# Altium PCB ControllerPCB.PcbDoc (part 2 of 2)
Units mm, origin at the board's own origin, x right, y up, seen from the top; angles counter-clockwise.
Board outline 79.22 x 88.77 mm, 2 copper layers (Top Layer, Bottom Layer); 122 components, 63 nets, 353 pads, 109 vias.
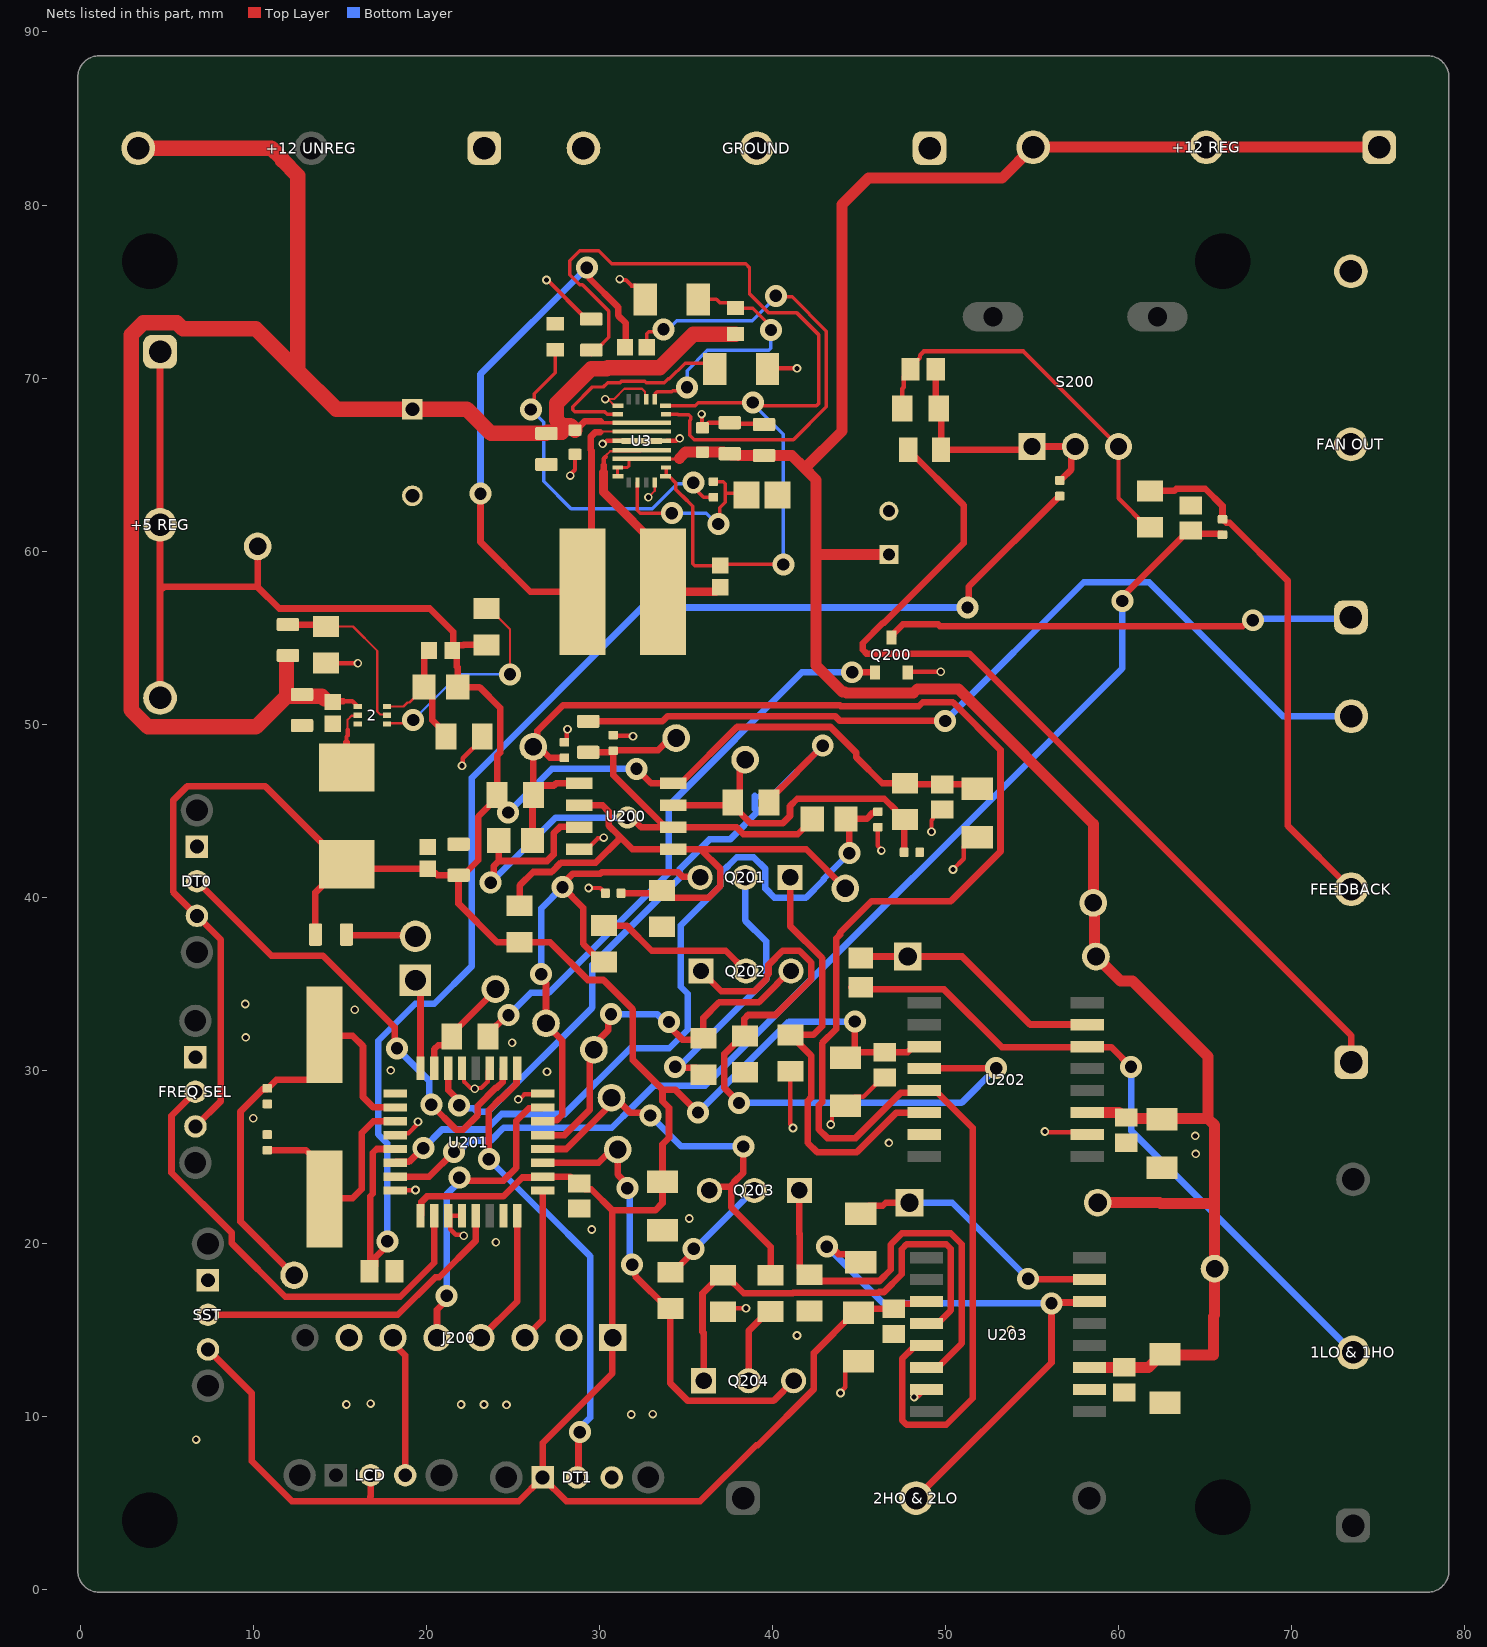
[diagram p2: the nets of this part, all layers, seen from the top]

## Via types
v1: diameter 1.27, hole 0.711, Top Layer to Bottom Layer, 56 vias
v2: diameter 0.5, hole 0.3, Top Layer to Bottom Layer, 53 vias

## Nets (pads, with @x,y where several pads share a name; then routed paths per layer and width w, separated by ;. In a path a pad name is that pad's centre, name@x,y a point inside that pad or via, vN(x,y) a via of type N, cw(c..) or ccw(c..) an arc to the next point about the centre after c; other vN are vias at no path point) (continued)
+5: "+5 REG.1" "+5 REG.2" "+5 REG.3" "FREQ SEL.3" C23.2 C24.2 C25.2 C207.2 C208.2 C209.2 C210.2 C216.2 C217.2 C221.2 C222.2 DT0.3 DT1.1 J200.1 J201.1 L3.1 LCD.2 R12.1 R13.2 R202.2 R204.2 R206.2 R218.2 SST.3 U200.8 U201.17 U201.26 U202.11 U203.11 | length 273.3
  Top Layer w0.381: 4.597,51.519 4.597,57.714 ; 4.597,71.519 4.597,57.714 ; 6.68,26.797 8.113,28.23 8.113,37.544 5.349,40.308 5.349,45.598 6.159,46.408 10.682,46.408 L3.1@15.192,41.898 ; SST.3@7.366,13.875 9.906,11.335 9.906,7.408 12.219,5.095 16.739,5.095 ; J201.1@10.236,60.274 10.236,57.937 ; R218.2@13.577,37.846 13.577,40.283 L3.1@15.192,41.898 ; LCD.2@16.764,6.604 16.764,5.382 16.739,5.357 16.739,5.095 ; U201.17@19.647,21.59 19.697,21.64 19.697,22.39 20.022,22.715 24.434,22.715 25.526,23.807 26.664,23.807 U201.26@26.714,23.857 28.305,23.857 28.704,23.458 C222.2@28.829,23.458 29.164,23.123 29.517,23.123 30.734,21.907 ; C25.2@21.539,54.305 21.748,54.096 21.748,53.33 21.803,53.275 R13.2@21.803,52.146 23.05,52.146 24.26,50.936 24.26,48.367 24.071,48.178 R204.2@24.071,45.748 ; R12.1@23.47,54.585 22.148,54.585 22.127,54.564 21.748,54.564 21.539,54.355 21.539,55.326 20.177,56.688 11.486,56.688 10.236,57.937 ; v1(24.714,44.896) 24.714,45.104 R204.2@24.071,45.748 ; v1(32.131,47.422) 32.969,46.584 34.69,46.584 37.943,49.837 43.337,49.837 44.833,48.341 44.833,48.079 46.329,46.584 47.642,46.584 R202.2@47.65,46.592 ; v1(35.687,27.559) 34.361,28.885 33.63,28.885 ; C208.2@44.196,30.74 C208.2@44.497,31.041 ; C210.2@44.49,16.219 46.953,16.219 47.236,16.502 48.747,16.502 U203.11@48.882,16.637 ; v1(44.748,32.817) 44.748,31.2 44.589,31.041 C208.2@44.497,31.041 ; C210.2@44.958,16.002 44.708,16.002 42.377,13.671 42.377,11.582 39.134,8.338 39.047,8.338 35.804,5.095 28.084,5.095 DT1.1@26.702,6.477 ; R202.2@47.659,46.584 47.721,46.521 51.574,46.521 C216.2@51.816,46.279 ; U202.11@48.755,31.369 48.118,31.369 47.79,31.041 C208.2@44.497,31.041 ; 4.597,57.714 4.821,57.937 10.236,57.937 ; L3.1@15.192,41.898 L3.1@15.392,41.898 15.634,41.656 C24.2@20.066,41.656 20.351,41.371 20.526,41.371 20.622,41.275 C23.2@21.844,41.275 ; 16.739,5.095 25.32,5.095 DT1.1@26.702,6.477 ; C23.2@21.844,41.275 21.844,39.635 24.074,37.406 27.13,37.406 29.317,35.218 30.215,35.218 31.922,33.511 31.922,30.593 33.63,28.885 ; C23.2@21.844,41.275 22.114,41.275 22.982,42.143 22.982,44.66 R204.2@24.071,45.748 ; DT1.1@26.702,6.477 26.721,6.496 26.721,8.486 30.734,12.499 30.734,21.907 ; 30.734,21.907 33.209,21.907 33.63,22.327 33.63,25.734 34.005,26.109 34.005,27.834 33.63,28.209 33.63,28.885
  Bottom Layer w0.381: v1(24.714,44.896) 27.24,47.422 v1(32.131,47.422) ; v1(35.687,27.559) 40.945,32.817 v1(44.748,32.817)
+12: "+12 REG.1" "+12 REG.2" "+12 REG.3" C17.1 C18.2 C19.2 C20.2 C211.2 C212.2 C213.2 C214.2 D201.2 D202.2 J212.1 J213.1 U3.11 U3.12 U3.13 U202.3 U203.3 | length 152.1
  Top Layer w0.178: U3.13@31.061,64.33 31.036,64.355 U3.12@31.036,64.83 31.602,64.83 31.707,64.934 31.707,65.294 31.743,65.33 U3.11@32.436,65.33 34.569,65.33 34.607,65.368
  Top Layer w0.635: 34.607,65.368 34.96,65.721 C20.2@35.941,65.721 37.157,65.721 37.183,65.695 37.467,65.695 37.592,65.57 37.973,65.57 38.012,65.531 C18.2@39.497,65.531 41.1,65.531 41.803,64.827 ; C17.1@46.711,59.817 42.558,59.817 42.507,59.868 ; U202.3@58.179,27.559 60.011,27.559 60.302,27.268 C211.2@60.427,27.268 ; U203.3@58.306,12.827 58.314,12.835 58.966,12.835 58.972,12.841 C213.2@60.325,12.841 61.707,12.841 62.079,13.213 62.079,13.259 62.412,13.592 C214.2@62.662,13.592 62.716,13.538 65.456,13.538 65.456,15.779 65.532,15.855 J213.1@65.532,18.542 65.532,22.301 ; D202.2@58.778,22.352 62.352,22.352 62.403,22.301 65.532,22.301 ; C211.2@60.542,27.268 60.587,27.223 62.439,27.223 C212.2@62.484,27.178 62.509,27.203 65.16,27.203 ; 75.049,83.341 65.049,83.341 55.049,83.341 53.262,81.554 45.528,81.554 43.993,80.019 43.993,66.929 41.891,64.827 41.803,64.827 ; 41.803,64.827 42.507,64.124 42.507,59.868 ; 42.507,59.868 42.507,53.382 44.02,51.869 44.179,51.869 44.252,51.796 48.121,51.796 48.357,52.032 50.725,52.032 58.522,44.235 J212.1@58.522,39.675 58.599,39.597 58.599,36.653 60.086,35.166 60.799,35.166 65.16,30.806 65.16,27.203 ; 65.16,27.203 65.532,26.831 65.532,22.301
+12V_in: 2.1 "+12 UNREG.3" C14.1 C15.2 C16.2 C21.2 C22.2 R8.1 R11.1 U3.7 | length 105.4
  Top Layer w0.127: 2.1@15.943,51.105 2.1@16.028,51.021
  Top Layer w0.2: 30.056,67.513 30.159,67.41 U3.7@32.436,67.41
  Top Layer w0.257: 15.189,51.333 15.715,51.333 2.1@15.943,51.105
  Top Layer w0.381: C22.2@14.58,51.283 14.63,51.333 15.189,51.333 ; C16.2@28.575,66.994 28.625,66.994 29.144,67.513 30.056,67.513
  Top Layer w0.889: 3.335,83.287 11.024,83.287 11.661,82.649 11.661,82.593 12.548,81.707 12.548,70.434 ; R11.1@11.904,53.9 11.904,51.613 ; 14.097,51.46 13.945,51.613 11.904,51.613 ; 27.824,66.867 26.988,66.867 C15.2@26.924,66.803 23.724,66.803 22.328,68.199 C14.1@19.177,68.199 14.783,68.199 12.548,70.434 ; C16.2@28.575,66.994 28.31,67.259 27.824,67.259 27.507,67.576 27.507,68.54 29.505,70.537 30.398,70.537 30.465,70.604 33.476,70.604 35.414,72.541 R8.1@37.846,72.541 ; 11.904,51.613 10.136,49.845 3.904,49.845 2.924,50.826 2.924,72.498 3.619,73.192 5.576,73.192 5.921,72.847 10.135,72.847 12.548,70.434
FANCTR: J205.1 R207.2 U201.7 | length 6.3
  Top Layer w0.381: U201.7@20.447,30.124 20.447,31.23 20.67,31.453 21.045,31.453 21.454,31.862 21.454,32.103 23.978,34.626 J205.1@23.978,34.696
GND: 2.3 "+12 UNREG.1" "FAN OUT.2" "FAN OUT.3" "FREQ SEL.1" C11.1 C13.1 C14.2 C15.1 C16.1 C17.2 C18.1 C19.1 C20.1 C21.1 C22.1 C23.1 C24.1 C200.1 C201.2 C202.1 C203.1 C204.1 C207.1 C208.1 C209.1 C210.1 C211.1 C212.1 C213.1 C214.1 C215.1 C216.1 C217.1 C218.1 C219.1 C220.2 C221.1 C222.1 C223.2 DT0.1 DT1.3 GROUND.1 GROUND.2 GROUND.3 J200.2 J200.7 Q200.2 R7.2 R9.1 R10.1 R14.1 R15.1 R209.1 R211.1 R213.1 R214.1 R216.1 R219.1 R221.1 S200.3 SST.1 U3.2 U3.5 U3.9 U3.17 U3.22 U3.23 U200.4 U201.3 U201.5 U201.9 U201.12 U201.16 U201.19 U201.20 U201.23 U201.32 U202.2 U202.15 U203.2 U203.15 | length 85.8
  Top Layer w0.127: U3.5@31.061,68.41 30.861,68.41 30.559,68.712 30.399,68.712 v2(30.328,68.783) 30.825,68.783 31.429,69.388 32.442,69.388 32.628,69.202 32.628,68.828 U3.2@32.686,68.77 ; v2(32.817,63.119) 33.186,63.488 U3.17@33.186,63.97
  Top Layer w0.254: R14.1@14.199,53.543 14.224,53.518 v2(16.027,53.518) ; U201.16@18.18,23.057 18.196,23.073 19.339,23.073 v2(19.355,23.089) ; U201.12@18.18,26.257 18.294,26.371 18.954,26.371 19.46,26.878 19.46,26.979 v2(19.507,27.026) ; U201.20@22.047,21.59 U201.19@21.247,21.59 21.361,21.476 21.361,20.816 21.683,20.494 22.102,20.494 v2(22.149,20.447) ; U201.5@22.047,30.124 22.161,30.01 22.161,29.351 22.534,28.978 22.737,28.978 v2(22.784,28.931) 22.831,28.978 23.16,28.978 23.533,29.351 23.533,30.01 U201.3@23.647,30.124 ; v2(22.047,47.6) 22.094,47.647 22.094,48.03 23.216,49.151 R15.1@23.216,49.301 ; v2(25.298,28.321) 25.365,28.321 25.653,28.609 26.666,28.609 U201.32@26.714,28.657 ; v2(26.924,75.667) 26.984,75.667 29.245,73.406 C13.1@29.515,73.406 ; C201.2@27.965,48.957 27.973,48.957 28.096,49.08 28.096,49.661 v2(28.143,49.708) ; v2(28.296,64.364) 28.296,64.43 28.575,64.71 C16.1@28.575,65.594 ; U200.4@28.829,42.774 29.268,42.774 29.895,43.4 30.191,43.4 v2(30.238,43.447) ; v2(29.362,40.538) 30.03,40.538 30.187,40.382 30.212,40.382 30.335,40.259 C204.1@30.335,40.234 ; v2(30.171,66.2) 30.237,66.2 30.406,66.368 30.996,66.368 U3.9@30.998,66.37 U3.22@32.436,66.37 ; C215.1@30.785,49.37 30.819,49.336 31.893,49.336 v2(31.928,49.301) ; v2(31.166,75.717) 31.213,75.67 31.517,75.67 31.84,75.347 32.09,75.347 32.638,74.799 R7.2@32.638,74.549 ; U3.23@33.874,66.37 33.876,66.372 34.417,66.372 34.562,66.518 v2(34.629,66.518) ; v2(35.89,67.92) 35.916,67.894 35.916,67.146 C20.1@35.941,67.121 ; C20.1@35.991,67.121 36.292,67.423 C19.1@37.516,67.423 37.567,67.372 39.446,67.372 C18.1@39.497,67.321 ; R221.1@37.135,16.053 37.338,16.256 v2(38.456,16.256) ; R10.1@39.701,70.536 39.727,70.561 v2(41.402,70.561) ; R214.1@41.021,29.947 41.021,26.889 41.173,26.737 v2(41.173,26.67) ; v2(43.358,26.873) 43.358,26.94 43.423,27.005 43.423,27.417 43.946,27.94 C208.1@44.196,27.94 44.719,28.463 45.229,28.463 46.357,29.591 C207.1@46.482,29.591 ; v2(43.917,11.354) 43.917,11.42 44.185,11.689 44.185,12.679 44.708,13.202 C210.1@44.958,13.202 ; C200.1@46.076,44.051 46.076,42.967 46.279,42.764 v2(46.279,42.697) ; R213.1@47.489,68.25 47.489,69.39 47.569,69.47 47.569,70.112 C219.1@47.967,70.51 47.967,70.635 48.511,71.179 48.511,71.318 48.734,71.541 54.484,71.541 S200.3@59.98,66.045 59.98,63.051 61.648,61.383 R211.1@61.798,61.383 ; Q200.2@47.813,52.996 47.852,53.035 v2(49.708,53.035) ; v2@48.387,11.125 48.59,11.328 48.59,11.359 48.788,11.557 U203.15@48.882,11.557 ; v2(49.174,43.79) 49.174,44.462 49.261,44.548 49.261,44.673 49.659,45.071 C217.1@49.784,45.071 ; v2(50.419,41.605) 51.043,42.229 51.043,42.956 51.566,43.479 C216.1@51.816,43.479 ; v2(55.728,26.467) 55.775,26.42 58.048,26.42 U202.2@58.179,26.289
  other v2: 6.68,8.661 31.826,10.109 33.071,10.135 24.613,10.668 15.367,10.693 21.996,10.693 23.317,10.693 16.764,10.744 48.169,11.116 41.402,14.681 53.746,15.011 24.003,20.066 29.54,20.803 35.179,21.438 64.44,25.171 46.711,25.806 64.414,26.213 9.982,27.229 26.96,29.921 17.932,29.997 24.943,31.598 9.55,31.902 15.85,33.503 9.525,33.833
HIN1: Q202.1 R216.2 U202.12 | length 40
  Top Layer w0.381: Q202.1@35.856,35.739 37.025,34.569 38.94,34.569 39.625,35.254 39.625,35.443 39.756,35.574 39.756,36.093 40.571,36.908 41.54,36.908 42.225,36.223 42.225,35.254 40.169,33.198 38.577,33.198 38.354,32.975 38.354,32.038 R216.2@38.405,31.987 38.255,31.987 37.21,30.943 37.21,28.985 38.049,28.146 v1(38.049,28.118) ; U202.12@48.755,30.099 48.768,30.112 52.895,30.112 v1(52.908,30.124)
  Bottom Layer w0.381: v1(38.049,28.118) 50.902,28.118 v1(52.908,30.124)
HIN2: Q204.1 R221.2 U203.12 | length 27.7
  Top Layer w0.381: Q204.1@36.008,12.066 36.008,14.821 35.94,14.888 35.94,17.108 36.985,18.153 37.285,18.153 38.321,17.116 41.165,17.116 41.19,17.142 46.109,17.142 46.158,17.19 46.432,17.19 47.456,18.214 47.456,19.667 47.735,19.946 50.029,19.946 50.289,19.686 50.289,16.128 49.663,15.502 49.017,15.502 U203.12@48.882,15.367
IFB: C200.2 R201.1 U201.14 | length 44.9
  Top Layer w0.381: U201.14@18.18,24.657 18.23,24.708 18.98,24.708 19.774,25.502 v1(19.812,25.502) ; v1(44.425,42.545) 44.425,44.333 R201.1@44.231,44.526 45.434,44.526 45.799,44.891 46.016,44.891 C200.2@46.076,44.951
  Bottom Layer w0.381: v1(19.812,25.502) 20.892,26.581 23.451,26.581 24.346,27.476 27.976,27.476 31.781,31.28 34.026,31.28 35.09,32.344 35.09,34.426 34.686,34.83 34.686,38.374 36.974,40.663 36.974,41.37 37.92,42.316 38.889,42.316 39.574,41.631 39.574,40.499 40.096,39.977 41.914,39.977 42.951,41.015 42.951,41.072 v1(44.425,42.545)
IFBOUT: FEEDBACK.3 R200.2 | length 50.9
  Top Layer w0.381: R200.2@29.337,50.166 33.623,50.166 33.929,50.472 43.6,50.472 43.882,50.19 v1(49.962,50.19)
  Bottom Layer w0.381: v1(49.962,50.19) 57.975,58.204 61.74,58.204 69.482,50.462 FEEDBACK.3@73.431,50.462
LCDCLK: J200.4 U201.24 | length 7.9
  Top Layer w0.381: J200.4@23.139,14.554 25.247,16.662 U201.24@25.247,21.59
LCDDI: J200.3 U201.25 | length 8.9
  Top Layer w0.381: J200.3@25.679,14.554 26.714,15.589 U201.25@26.714,23.057
LCDEN: J200.5 U201.31 | length 18
  Top Layer w0.381: J200.5@20.599,14.554 20.599,16.168 21.158,16.727 v1(21.158,16.967) ; v1(21.895,23.794) 22.059,23.63 24.451,23.63 25.183,24.361 25.183,27.075 25.914,27.807 26.664,27.807 U201.31@26.714,27.857
  Bottom Layer w0.381: v1(21.158,16.967) 21.158,22.825 21.895,23.561 v1(21.895,23.794)
LIN1: Q201.1 R214.2 U202.14 | length 26.1
  Top Layer w0.381: Q201.1@41.005,41.147 41.005,38.342 42.86,36.486 42.86,32.564 42.343,32.047 R214.2@41.021,32.047 42.216,30.851 42.216,28.424 42.028,28.236 42.028,25.81 42.565,25.273 44.866,25.273 47.152,27.559 U202.14@48.755,27.559
LIN2: Q203.1 R219.2 U203.14 | length 24.8
  Top Layer w0.381: Q203.1@41.538,23.062 41.538,20.57 41.554,20.554 41.554,18.596 41.963,18.186 R219.2@42.113,18.186 42.474,17.825 46.169,17.825 46.821,18.477 46.821,19.93 47.472,20.581 50.292,20.581 50.924,19.949 50.924,14.223 49.663,12.962 49.017,12.962 U203.14@48.882,12.827
NetC9_1: C9.1 R9.2 | length 20.1
  Top Layer w0.2: v1(26.022,68.182) 26.227,68.386 26.227,69.102 27.432,70.307 R9.2@27.432,71.64 ; v1(35.412,63.954) 35.412,63.708 36.001,63.119 C9.1@36.576,63.119
  Bottom Layer w0.2: v1(26.022,68.182) 26.761,67.442 26.761,64.044 28.346,62.459 33.036,62.459 34.477,63.9 35.358,63.9 v1(35.412,63.954)
NetC9_2: C9.2 C11.2 U3.15 | length 11.1
  Top Layer w0.2: U3.15@32.186,63.97 32.165,63.949 32.165,62.374 32.342,62.197 v1(34.173,62.197) ; C9.2@36.576,64.019 36.587,64.008 37.145,64.008 37.262,63.891 37.262,63.353 ; v1(36.855,61.57) 36.951,61.665 36.951,62.505 37.262,62.816 37.262,63.353 ; C11.2@38.481,63.246 38.374,63.353 37.262,63.353
  Bottom Layer w0.2: v1(34.173,62.197) 36.161,62.197 36.788,61.57 v1(36.855,61.57)
NetC10_1: C10.1 C13.2 U3.18 U3.19 U3.21 | length 59.4
  Top Layer w0.2: C13.2@29.515,71.362 29.857,71.704 29.873,71.704 30.519,72.35 30.519,73.877 29.007,75.389 28.851,75.389 28.272,75.968 28.272,76.787 28.851,77.367 29.948,77.367 30.709,76.606 38.43,76.606 38.659,76.378 38.659,74.877 39.773,73.763 41.403,73.763 42.647,72.52 42.647,68.527 42.529,68.41 v1@38.679,68.41 ; U3.21@33.811,68.41 35.527,68.41 35.703,68.586 38.503,68.586 v1@38.679,68.41 ; U3.19@33.836,64.83 33.836,64.355 U3.18@33.811,64.33 34.011,64.33 34.409,63.932 34.409,63.559 34.781,63.186 34.789,63.186 35.382,62.593 35.382,59.274 35.499,59.157 36.942,59.157 C10.1@36.957,59.172 37.018,59.233 v1(40.615,59.233) ; v1(38.855,68.586) v1@38.679,68.41
  Bottom Layer w0.2: v1(38.855,68.586) 38.855,68.526 40.615,66.766 v1(40.615,59.233)
NetC10_2: C10.2 L2.2 U3.10 | length 15
  Top Layer w0.127: 30.353,65.458 30.353,65.522 30.604,65.773 32.378,65.773 U3.10@32.436,65.83
  Top Layer w0.257: 30.226,64.968 30.226,65.331 30.353,65.458
  Top Layer w0.381: 30.226,64.541 30.226,64.968
  Top Layer w0.508: 30.226,64.541 30.226,63.412 33.655,59.983 L2.2@33.655,57.658 36.693,57.658 C10.2@36.957,57.922
NetC12_1: C12.1 U3.20 | length 28.7
  Top Layer w0.2: C12.1@32.715,71.78 32.715,72.555 32.832,72.673 33.542,72.673 v1(33.687,72.817) ; U3.20@33.836,67.91 34.526,67.91 34.546,67.89 35.147,67.89 35.264,67.773 35.264,67.607 35.207,67.549 35.207,66.693 35.463,66.437 41.198,66.437 43.101,68.339 43.101,72.708 41.118,74.691 40.244,74.691 v1(40.183,74.752)
  Bottom Layer w0.2: v1(33.687,72.817) 33.976,72.817 34.463,73.304 38.811,73.304 40.183,74.676 v1(40.183,74.752)
NetC12_2: C12.2 L2.1 U3.8 | length 43.3
  Top Layer w0.127: 30.023,66.878 30.052,66.907 32.433,66.907 U3.8@32.436,66.91
  Top Layer w0.381: v1(23.114,63.322) 23.114,60.528 25.984,57.658 L2.1@29.005,57.658 29.527,58.18 29.527,65.803 29.476,65.854 29.476,66.604 29.751,66.878 30.023,66.878 ; v1(29.261,76.378) 29.431,76.208 29.431,75.735 31.063,74.103 31.063,73.621 31.516,73.168 C12.2@31.516,71.755
  Bottom Layer w0.381: v1(23.114,63.322) 23.114,70.231 v1(29.261,76.378)
NetC25_1: 2.6 C25.1 R13.1 R15.2 | length 8.2
  Top Layer w0.127: 2.6@17.704,51.021 18.66,51.021 18.892,51.253 19.009,51.253 19.853,52.096 R13.1@19.853,52.146
  Top Layer w0.381: C25.1@20.138,54.254 20.138,54.204 19.853,53.919 R13.1@19.853,52.146 20.338,51.662 20.338,50.229 21.116,49.451 R15.2@21.116,49.301
NetC202_2: C202.2 J203.1 R202.1 R205.2 U200.7 | length 20.1
  Top Layer w0.381: U200.7@34.251,45.314 37.533,45.314 R205.2@37.685,45.466 ; R205.2@37.634,45.464 38.095,45.924 38.095,47.315 38.405,47.625 J203.1@38.405,47.955 ; R205.2@37.685,45.316 38.73,44.271 40.569,44.271 40.996,44.698 40.996,45.269 41.422,45.696 46.448,45.696 47.091,45.053 47.091,44.902 47.5,44.492 R202.1@47.65,44.492 47.589,44.43 C202.2@47.589,42.596
NetC204_2: C204.2 J204.1 R206.1 R209.2 U200.2 U200.5 | length 34.9
  Top Layer w0.381: R206.1@25.375,39.506 25.375,40.677 26.16,41.463 27.202,41.463 27.216,41.477 27.243,41.477 27.77,42.004 29.777,42.004 31.119,43.345 31.119,43.555 ; U200.2@28.829,45.314 30.165,45.314 30.518,44.96 30.518,44.155 31.119,43.555 ; C204.2@31.235,40.234 33.443,40.234 R209.2@33.604,40.395 33.754,40.395 34.171,39.977 36.289,39.977 36.974,40.663 36.974,41.631 35.832,42.774 ; J204.1@44.196,40.513 41.935,42.774 35.832,42.774 ; 31.119,43.555 31.223,43.45 31.9,42.774 U200.5@34.251,42.774 35.832,42.774
NetC205_2: C205.2 D201.1 U202.7 | length 14.7
  Top Layer w0.381: C205.2@45.085,36.576 50.944,36.576 54.873,32.647 58.171,32.647 U202.7@58.179,32.639
NetC206_2: C206.2 D202.1 U203.7 | length 15.3
  Top Layer w0.381: C206.2@45.085,21.72 45.545,22.18 46.358,22.18 46.53,22.352 D202.1@47.902,22.352 ; v1(54.762,17.958) 54.788,17.932 58.281,17.932 U203.7@58.306,17.907
  Bottom Layer w0.381: D202.1@47.902,22.352 50.368,22.352 v1(54.762,17.958)
NetC215_2: C215.2 J206.1 R200.1 R201.2 R203.1 U200.3 U200.6 | length 40.5
  Top Layer w0.381: v1(23.698,40.843) 23.868,41.013 23.868,41.795 24.171,42.098 ; R203.1@24.171,43.282 24.171,42.098 ; U200.3@28.829,44.044 28.804,44.069 27.706,44.069 27.336,43.699 27.336,42.468 26.966,42.098 24.171,42.098 ; R200.1@29.337,48.376 30.665,48.376 30.7,48.411 30.725,48.411 C215.2@30.785,48.47 ; v1(31.598,44.602) 31.838,44.602 32.397,44.044 U200.6@33.669,44.044 ; U200.6@33.982,44.044 33.847,44.178 33.669,44.178 30.785,47.062 C215.2@30.785,48.47 ; U200.6@34.251,44.044 37.904,44.044 38.312,43.636 41.441,43.636 42.281,44.476 R201.2@42.281,44.526 ; J206.1@34.417,49.2 34.087,49.2 33.389,48.501 30.816,48.501 C215.2@30.785,48.47
  Bottom Layer w0.381: v1(23.698,40.843) 27.457,44.602 v1(31.598,44.602)
NetC220_1: C220.1 J210.1 U201.10 Y200.2 | length 26
  Top Layer w0.381: J210.1@12.344,18.161 9.246,21.26 9.246,27.624 10.518,28.897 10.761,28.897 11.31,29.446 13.237,29.446 14.097,30.305 Y200.2@14.097,32.055 14.148,32.004 15.719,32.004 16.323,31.399 16.323,28.462 16.928,27.857 U201.10@18.18,27.857
NetC223_1: C223.1 U201.11 Y200.1 | length 13.2
  Top Layer w0.381: C223.1@10.795,25.389 13.013,25.389 14.148,24.254 14.148,22.606 15.719,22.606 16.256,23.143 16.256,26.385 16.928,27.057 U201.11@18.18,27.057
NetD200_A: D200.A R218.1 | length 4
  Top Layer w0.381: R218.1@15.367,37.846 15.418,37.795 19.304,37.795 D200.A@19.355,37.744
NetD200_C: D200.C U201.8 | length 5.2
  Top Layer w0.381: D200.C@19.355,35.204 19.647,34.912 U201.8@19.647,30.124
NetJ7_1: "FAN OUT.1" Q200.3 | length 27.2
  Top Layer w0.381: Q200.3@46.863,55.016 46.972,55.126 46.972,55.226 47.511,55.765 49.558,55.765 49.658,55.664 67.158,55.664 67.501,56.007 v1(67.742,56.007)
  Bottom Layer w0.381: v1(67.742,56.007) 67.822,56.087 73.33,56.087 73.41,56.167
NetJ9_1: FEEDBACK.1 R212.2 | length 54.3
  Top Layer w0.381: R212.2@47.828,65.862 51.029,62.662 51.029,60.452 46.438,55.861 46.379,55.861 45.197,54.679 45.197,54.305 45.42,54.082 51.358,54.082 73.431,32.009 FEEDBACK.1@73.431,30.462
NetJ200_6: J200.6 LCD.3 | length 8.2
  Top Layer w0.381: J200.6@18.059,14.554 18.059,14.232 18.764,13.528 LCD.3@18.764,6.604
NetL3_2: 2.2 L3.2 | length 3.5
  Top Layer w0.127: 15.436,49.686 15.436,50.265 15.659,50.488 15.995,50.488 2.2@16.028,50.521
  Top Layer w0.254: 15.372,48.95 15.372,49.286 15.436,49.35 15.436,49.686
  Top Layer w0.381: 15.372,48.95 15.372,47.519 L3.2@15.392,47.498
NetQ200_1: Q200.1 R207.1 | length 33.5
  Top Layer w0.381: R207.1@23.554,31.953 23.554,32.103 24.637,33.186 v1(24.733,33.186) ; v1(44.593,53.002) 44.596,52.999 45.91,52.999 Q200.1@45.913,52.996
  Bottom Layer w0.381: v1(24.733,33.186) 26.028,34.48 27.066,34.48 34,41.414 34,45.311 41.692,53.002 v1(44.593,53.002)
NetQ201_2: Q201.2 R215.2 | length 15.6
  Top Layer w0.381: v1(34.366,30.201) 34.406,30.161 35.582,30.161 R215.2@35.992,29.752
  Bottom Layer w0.381: v1(34.366,30.201) 34.571,30.201 39.625,35.254 39.625,37.446 38.405,38.666 Q201.2@38.405,41.147
NetQ202_2: Q202.2 R217.2 | length 9.3
  Top Layer w0.381: R217.2@30.251,38.363 31.558,38.363 33.012,36.908 37.286,36.908 Q202.2@38.456,35.739
NetQ203_2: Q203.2 R220.2 | length 6.9
  Top Layer w0.381: R220.2@34.087,18.331 34.237,18.331 35.433,19.527 v1(35.433,19.685)
  Bottom Layer w0.381: v1(35.433,19.685) 35.497,19.685 38.874,23.062 Q203.2@38.938,23.062
NetQ204_2: Q204.2 R222.2 | length 4.6
  Top Layer w0.381: Q204.2@38.608,12.066 38.608,14.941 39.728,16.061 R222.2@39.878,16.061
NetR7_1: R7.1 R8.2 U3.1 | length 14.8
  Top Layer w0.2: U3.1@33.186,68.77 33.198,68.782 33.198,69.101 33.315,69.218 34.175,69.218 34.221,69.264 34.847,69.264 v1(35.052,69.469) ; R7.1@35.688,74.549 36.751,74.549 36.958,74.341 37.546,74.341 R8.2@37.846,74.041 38.837,74.041 39.903,72.974 v1(39.903,72.774)
  Bottom Layer w0.2: v1(35.052,69.469) 35.052,70.434 36.22,71.603 39.761,71.603 39.878,71.72 39.878,72.749 v1(39.903,72.774)
NetR10_2: R10.2 U3.6 | length 12.3
  Top Layer w0.2: U3.6@31.036,67.91 30.429,67.91 30.282,68.058 28.554,68.058 28.437,68.175 28.437,68.341 29.582,69.485 30.217,69.485 30.471,69.739 31.19,69.739 31.256,69.805 32.615,69.805 32.681,69.739 33.741,69.739 33.953,69.952 34.03,69.952 34.944,70.866 36.321,70.866 R10.2@36.651,70.536
NetR11_2: 2.5 R11.2 R14.2 | length 9.9
  Top Layer w0.127: R14.2@14.199,55.643 15.743,55.643 17.149,54.237 17.149,50.739 17.335,50.553 17.671,50.553 2.5@17.704,50.521
  Top Layer w0.381: R11.2@11.989,55.754 14.088,55.754 R14.2@14.199,55.643
NetR12_2: 2.4 R12.2 | length 12.7
  Top Layer w0.127: 2.4@17.704,50.021 17.736,50.053 19.04,50.053 v1(19.228,50.241) ; R12.2@23.47,56.685 23.62,56.685 24.816,55.488 v1(24.816,52.883)
  Bottom Layer w0.127: v1(19.228,50.241) 21.869,52.883 v1(24.816,52.883)
NetS202_2: DT1.2 U201.1 | length 27.2
  Top Layer w0.381: v1(23.597,24.867) 23.597,27.686 24.275,28.365 24.335,28.365 25.197,29.226 25.197,30.074 U201.1@25.247,30.124 ; DT1.2@28.702,6.477 28.778,6.553 28.778,9.017 v1(28.854,9.093)
  Bottom Layer w0.381: v1(23.597,24.867) 26.543,21.92 26.793,21.92 29.449,19.265 29.449,9.928 28.854,9.334 v1(28.854,9.093)
NetS203_2: DT0.2 U201.2 | length 27.2
  Top Layer w0.381: DT0.2@6.731,40.926 11.026,36.631 13.999,36.631 18.157,32.474 18.157,31.399 v1(18.288,31.267) ; v1(20.269,28.016) 21.707,26.578 22.116,26.578 22.962,27.423 22.962,27.949 24.012,29 24.072,29 24.397,29.324 24.397,30.074 U201.2@24.447,30.124
  Bottom Layer w0.381: v1(18.288,31.267) 20.142,29.413 20.142,28.143 v1(20.269,28.016)
NetS204_2: "FREQ SEL.2" U201.18 | length 27.3
  Top Layer w0.381: 6.642,28.759 5.26,27.377 5.26,24.086 8.748,20.599 8.748,19.997 11.829,16.916 18.48,16.916 20.447,18.884 U201.18@20.447,21.59
NetS205_2: SST.2 U201.21 | length 18.7
  Top Layer w0.381: SST.2@7.366,15.875 18.336,15.875 20.508,18.047 20.731,18.047 22.847,20.163 U201.21@22.847,21.59
SD: C201.1 J202.1 R203.2 R204.1 U200.1 U202.13 U203.13 | length 105.9
  Top Layer w0.381: R203.2@26.121,43.282 26.121,45.848 R204.1@26.171,45.898 26.162,45.906 26.162,46.048 J202.1@26.162,48.692 ; R204.1@26.171,46.048 26.58,46.457 27.355,46.457 27.481,46.584 U200.1@28.829,46.584 ; C201.1@27.965,48.057 27.119,48.057 26.484,48.692 J202.1@26.162,48.692 ; U203.13@48.882,14.097 48.747,13.962 48.101,13.962 47.475,13.336 47.475,9.778 47.735,9.518 50.029,9.518 51.559,11.048 51.559,26.671 49.902,28.329 49.893,28.329 49.392,28.829 U202.13@48.755,28.829 48.62,28.694 47.389,28.694 44.78,26.086 43.163,26.086 42.663,26.586 42.663,27.973 42.851,28.161 42.851,31.574 43.668,32.391 43.668,37.621 43.891,37.844 43.891,37.946 45.725,39.78 50.296,39.78 53.161,42.645 53.161,48.518 50.409,51.27 48.672,51.27 48.436,51.034 43.936,51.034 43.863,51.107 27.891,51.107 26.395,49.611 26.395,48.925 J202.1@26.162,48.692
SPWMEN: R205.1 U201.6 | length 39.1
  Top Layer w0.381: U201.6@21.247,30.124 21.247,28.857 21.883,28.221 v1(21.883,27.981) ; R205.1@39.785,45.466 39.785,45.616 41.397,47.228 41.397,47.264 v1(42.89,48.757)
  Bottom Layer w0.381: v1(21.883,27.981) 22.053,27.81 22.698,27.81 22.899,27.61 23.553,27.61 29.578,33.635 29.578,36.094 34.635,41.151 34.635,41.631 36.349,43.346 37.529,43.346 39.243,45.06 ; 38.964,45.085 38.964,45.854 ; 39.243,45.828 39.961,45.828 v1(42.89,48.757)
SPWMOUT1: J211.1 Q204.3 R220.1 U201.27 | length 27.5
  Top Layer w0.381: U201.27@26.714,24.657 29.941,24.657 30.709,25.425 J211.1@31.039,25.425 31.039,23.99 31.598,23.431 v1(31.598,23.19) ; v1(31.877,18.771) 32.047,18.6 32.047,18.12 33.937,16.231 R220.1@34.087,16.231 34.087,11.909 35.099,10.897 40.039,10.897 Q204.3@41.208,12.066
  Bottom Layer w0.381: v1(31.598,23.19) 31.737,23.05 31.737,18.91 v1(31.877,18.771)
SPWMOUT2: J209.1 Q203.3 R222.1 U201.28 | length 24.2
  Top Layer w0.381: U201.28@26.714,25.457 28.064,25.457 30.45,27.843 30.45,28.189 J209.1@30.683,28.423 30.892,28.423 31.757,27.557 32.755,27.557 v1(32.925,27.387) ; Q203.3@36.338,23.062 36.543,23.267 37.529,23.267 37.592,23.33 ; v1(38.303,25.603) 38.303,24.081 37.769,23.547 37.769,23.507 37.592,23.33 ; R222.1@39.878,18.161 39.878,19.807 37.592,22.093 37.592,23.33
  Bottom Layer w0.381: v1(32.925,27.387) 34.709,25.603 v1(38.303,25.603)
SPWMOUT3: J208.1 Q202.3 R215.1 U201.29 | length 22.8
  Top Layer w0.381: U201.29@26.714,26.257 27.966,26.257 29.439,27.73 29.439,30.963 J208.1@29.667,31.191 29.667,31.49 30.488,32.31 30.488,33.078 v1(30.658,33.249) ; v1(34.011,32.791) 34.011,32.551 34.786,31.775 35.916,31.775 R215.1@35.992,31.852 35.992,33.023 36.903,33.934 39.203,33.934 40.26,34.991 40.26,35.016 40.982,35.739 Q202.3@41.056,35.739
  Bottom Layer w0.381: v1(30.658,33.249) 33.313,33.249 33.77,32.791 v1(34.011,32.791)
SPWMOUT4: J207.1 Q201.3 R217.1 U201.30 | length 29.4
  Top Layer w0.381: v1(26.619,35.56) 26.619,35.319 26.899,35.04 26.899,32.656 27.839,31.716 27.839,27.432 27.514,27.108 26.765,27.108 U201.30@26.714,27.057 ; R217.1@30.251,36.263 30.101,36.263 29.057,37.307 29.057,39.379 v1(27.851,40.585) 27.851,40.762 28.458,41.369 30.04,41.369 30.11,41.439 34.538,41.439 34.782,41.196 35.756,41.196 Q201.3@35.805,41.147
  Bottom Layer w0.381: v1(26.619,35.56) 26.619,39.353 v1(27.851,40.585)
TFB: FEEDBACK.2 R208.2 R211.2 | length 30
  Top Layer w0.381: R211.2@61.798,63.483 63.201,63.483 63.326,63.608 64.995,63.608 65.989,62.613 R208.2@65.989,61.842 66.049,61.782 66.074,61.782 66.22,61.636 66.412,61.636 69.771,58.277 69.771,44.122 FEEDBACK.2@73.431,40.462
TFBIN: C203.2 R208.1 U201.15 | length 66
  Top Layer w0.381: U201.15@18.18,23.857 20.153,23.857 v1(21.582,25.286) ; v1(60.198,57.125) 60.198,57.351 63.807,60.96 64.389,60.96 C203.2@64.16,61.189 ; C203.2@64.348,61.001 65.93,61.001 R208.1@65.989,60.942
  Bottom Layer w0.381: v1(21.582,25.286) 21.823,25.286 22.483,25.946 23.714,25.946 24.45,26.681 30.702,26.681 31.928,27.907 31.928,27.916 33.133,29.121 36.092,29.121 60.198,53.227 v1(60.198,57.125)
VFB: C219.2 R210.1 R212.1 R213.2 S200.1 S200.2 | length 14.9
  Top Layer w0.381: C219.2@49.417,70.51 49.417,68.422 49.728,68.111 R212.1@49.728,65.862 54.797,65.862 S200.1@54.98,66.045 S200.2@57.48,66.045 57.257,65.822 57.257,64.725 56.676,64.144 56.651,64.144 R210.1@56.591,64.084
VFBIN: C218.2 R210.2 U201.13 | length 81.6
  Top Layer w0.381: v1(17.729,20.117) 17.729,19.876 17.034,19.181 17.034,18.724 16.739,18.429 16.739,22.728 16.891,22.88 16.891,25.234 17.114,25.457 U201.13@18.18,25.457 ; v1(51.257,56.744) 51.332,56.818 51.332,57.95 56.507,63.125 56.532,63.125 R210.2@56.591,63.184
  Bottom Layer w0.381: v1(17.729,20.117) 17.729,25.776 17.209,26.296 17.209,31.715 19.346,33.852 20.446,33.852 22.619,36.025 22.619,46.908 32.454,56.744 v1(51.257,56.744)
VS1: "1LO & 1HO.2" C205.1 U202.6 | length 40.5
  Top Layer w0.381: C205.1@45.085,34.798 44.528,34.798 44.966,34.798 45.085,34.679 49.902,34.679 53.237,31.344 59.563,31.344 v1(60.706,30.201)
  Bottom Layer w0.381: v1(60.706,30.201) 60.706,26.525 73.533,13.698
VS2: "2HO & 2LO.2" C206.1 U203.6 | length 33.4
  Top Layer w0.381: v1(43.129,19.812) 43.37,19.812 43.802,19.38 44.625,19.38 C206.1@45.085,18.92 ; 48.285,5.283 56.109,13.106 v1(56.109,16.535) 56.159,16.586 58.255,16.586 U203.6@58.306,16.637
  Bottom Layer w0.381: v1(43.129,19.812) 46.406,16.535 v1(56.109,16.535)
pads on no net: "+12 UNREG.2" "FREQ SEL.4" "FREQ SEL.5" ?. Designator15. Designator16. Designator17. DT0.4 DT0.5 DT1.4 DT1.5 J200.8 LCD.1 LCD.4 LCD.5 S200.4 S200.5 SST.4 SST.5 U3.3 U3.4 U3.14 U3.16 U201.4 U201.22 U202.4 U202.5 U202.9 U202.10 U202.16 U203.4 U203.5 U203.9 U203.10 U203.16

## Polygon pours and split planes (outlines as drawn)
GND on Top Layer "GND" (solid, remove dead copper, pour order 2): 1.753,85.776 1.6,85.623 1.6,2.083 76.225,2.083 76.378,1.93 76.378,85.776
GND on Bottom Layer "GND" (solid, remove dead copper, pour order 5): 2.438,85.192 2.972,85.725 75.844,85.725 75.844,2.286 75.133,2.997 2.616,2.997

## Other copper
Multi-Layer:
  pour cut-out: 1.549,7.239 1.6,7.29 7.112,7.29 7.112,1.778 7.087,1.803 1.549,1.803
  pour cut-out: 63.017,7.468 63.017,1.473 62.992,1.448 63.043,1.397 68.961,1.397 68.961,7.493 68.91,7.544 63.094,7.544 63.043,7.493
  pour cut-out: 63.284,79.146 63.284,74.244 63.309,74.219 69.228,74.219 69.228,79.096 69.177,79.146 63.157,79.146
  pour cut-out: 1.372,79.35 6.502,79.35 6.528,79.324 6.528,74.27 1.549,74.27 1.422,74.397

## Silkscreen, mask and mechanical layers (free items; w line width, h text height)
Top Overlay:
  drawing of 60 lines, arcs and shapes, not listed
Mechanical 1:
  lines w0.254: -0.025,1.956 -0.025,87.401 cw(c1.067,87.401) 1.067,88.494 77.8,88.494 77.851,88.494 cw(c77.851,87.401) 78.943,87.401 ; -0.025,2.54 -0.025,1.143 -0.025,1.067 ccw(c1.067,1.067) 1.067,-0.025 1.143,-0.025 77.749,-0.025 77.851,-0.025 ccw(c77.851,1.067) 78.943,1.067 78.943,1.168 78.943,1.499 78.943,87.351

## Text inside footprints (layer, text, board x,y; h text height)
U201: Top Assembly "*" at 25.012,29.35 h1.27 r270